# Allegro board balenaFin-PCB.brd
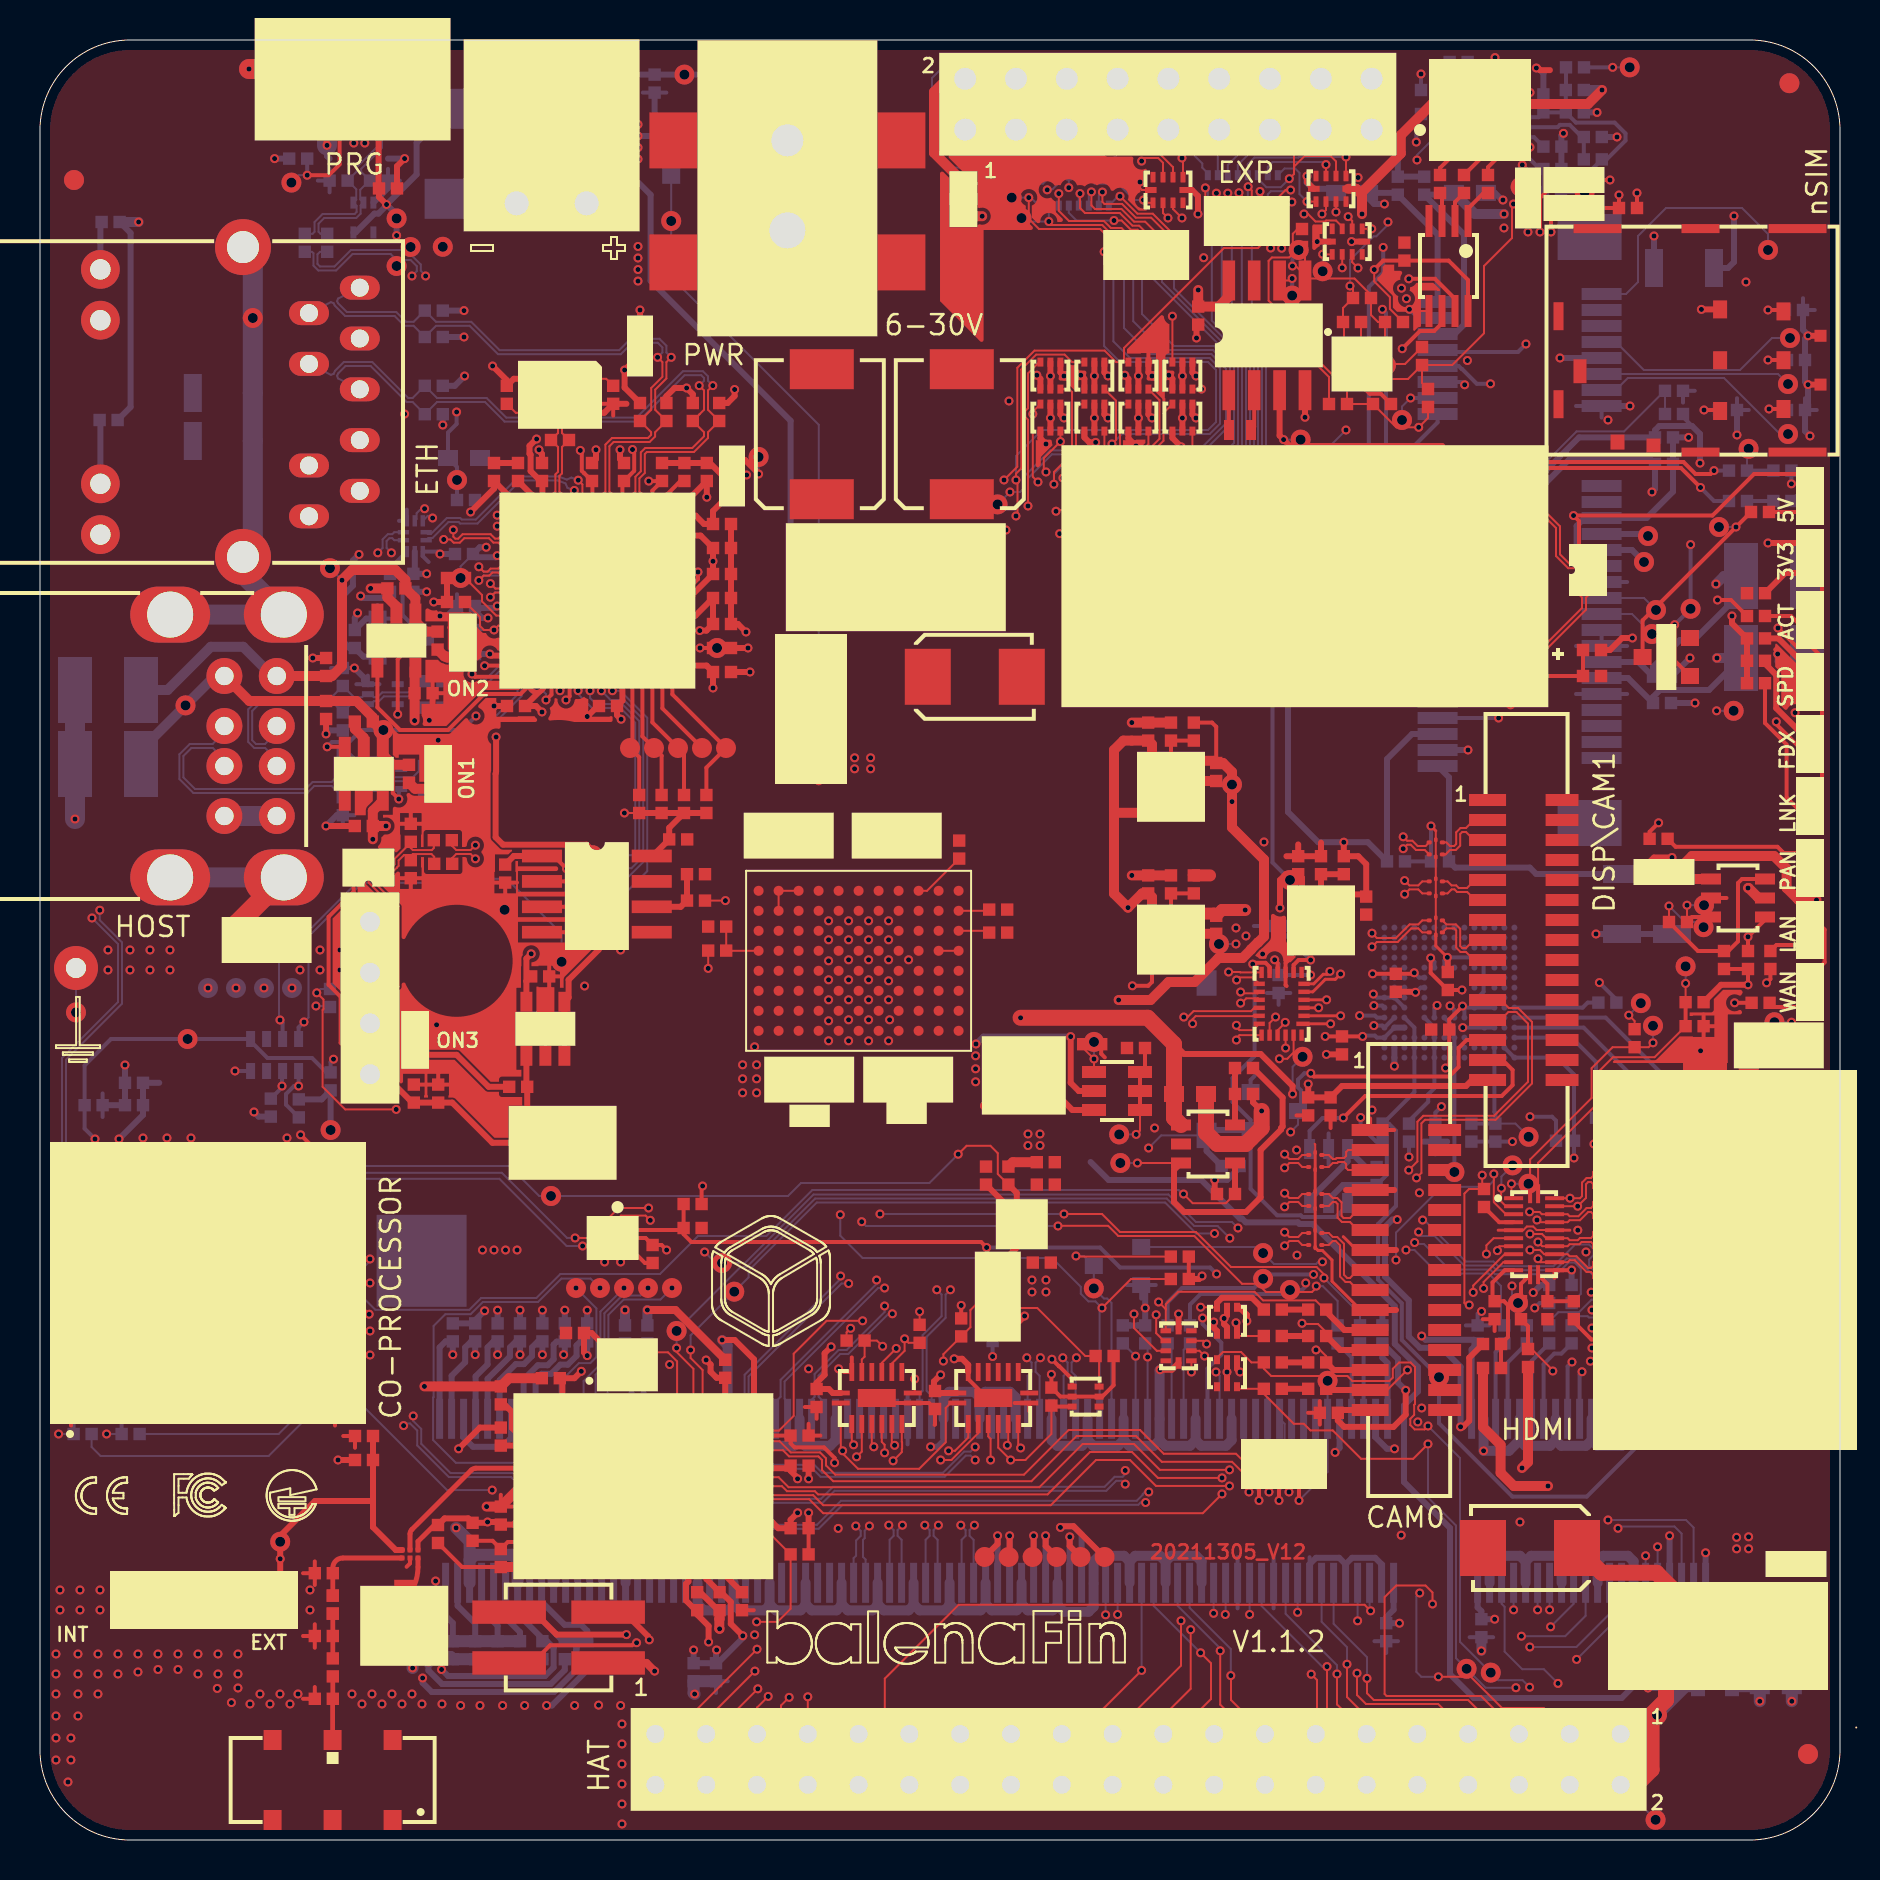
[diagram p0: board, top side]
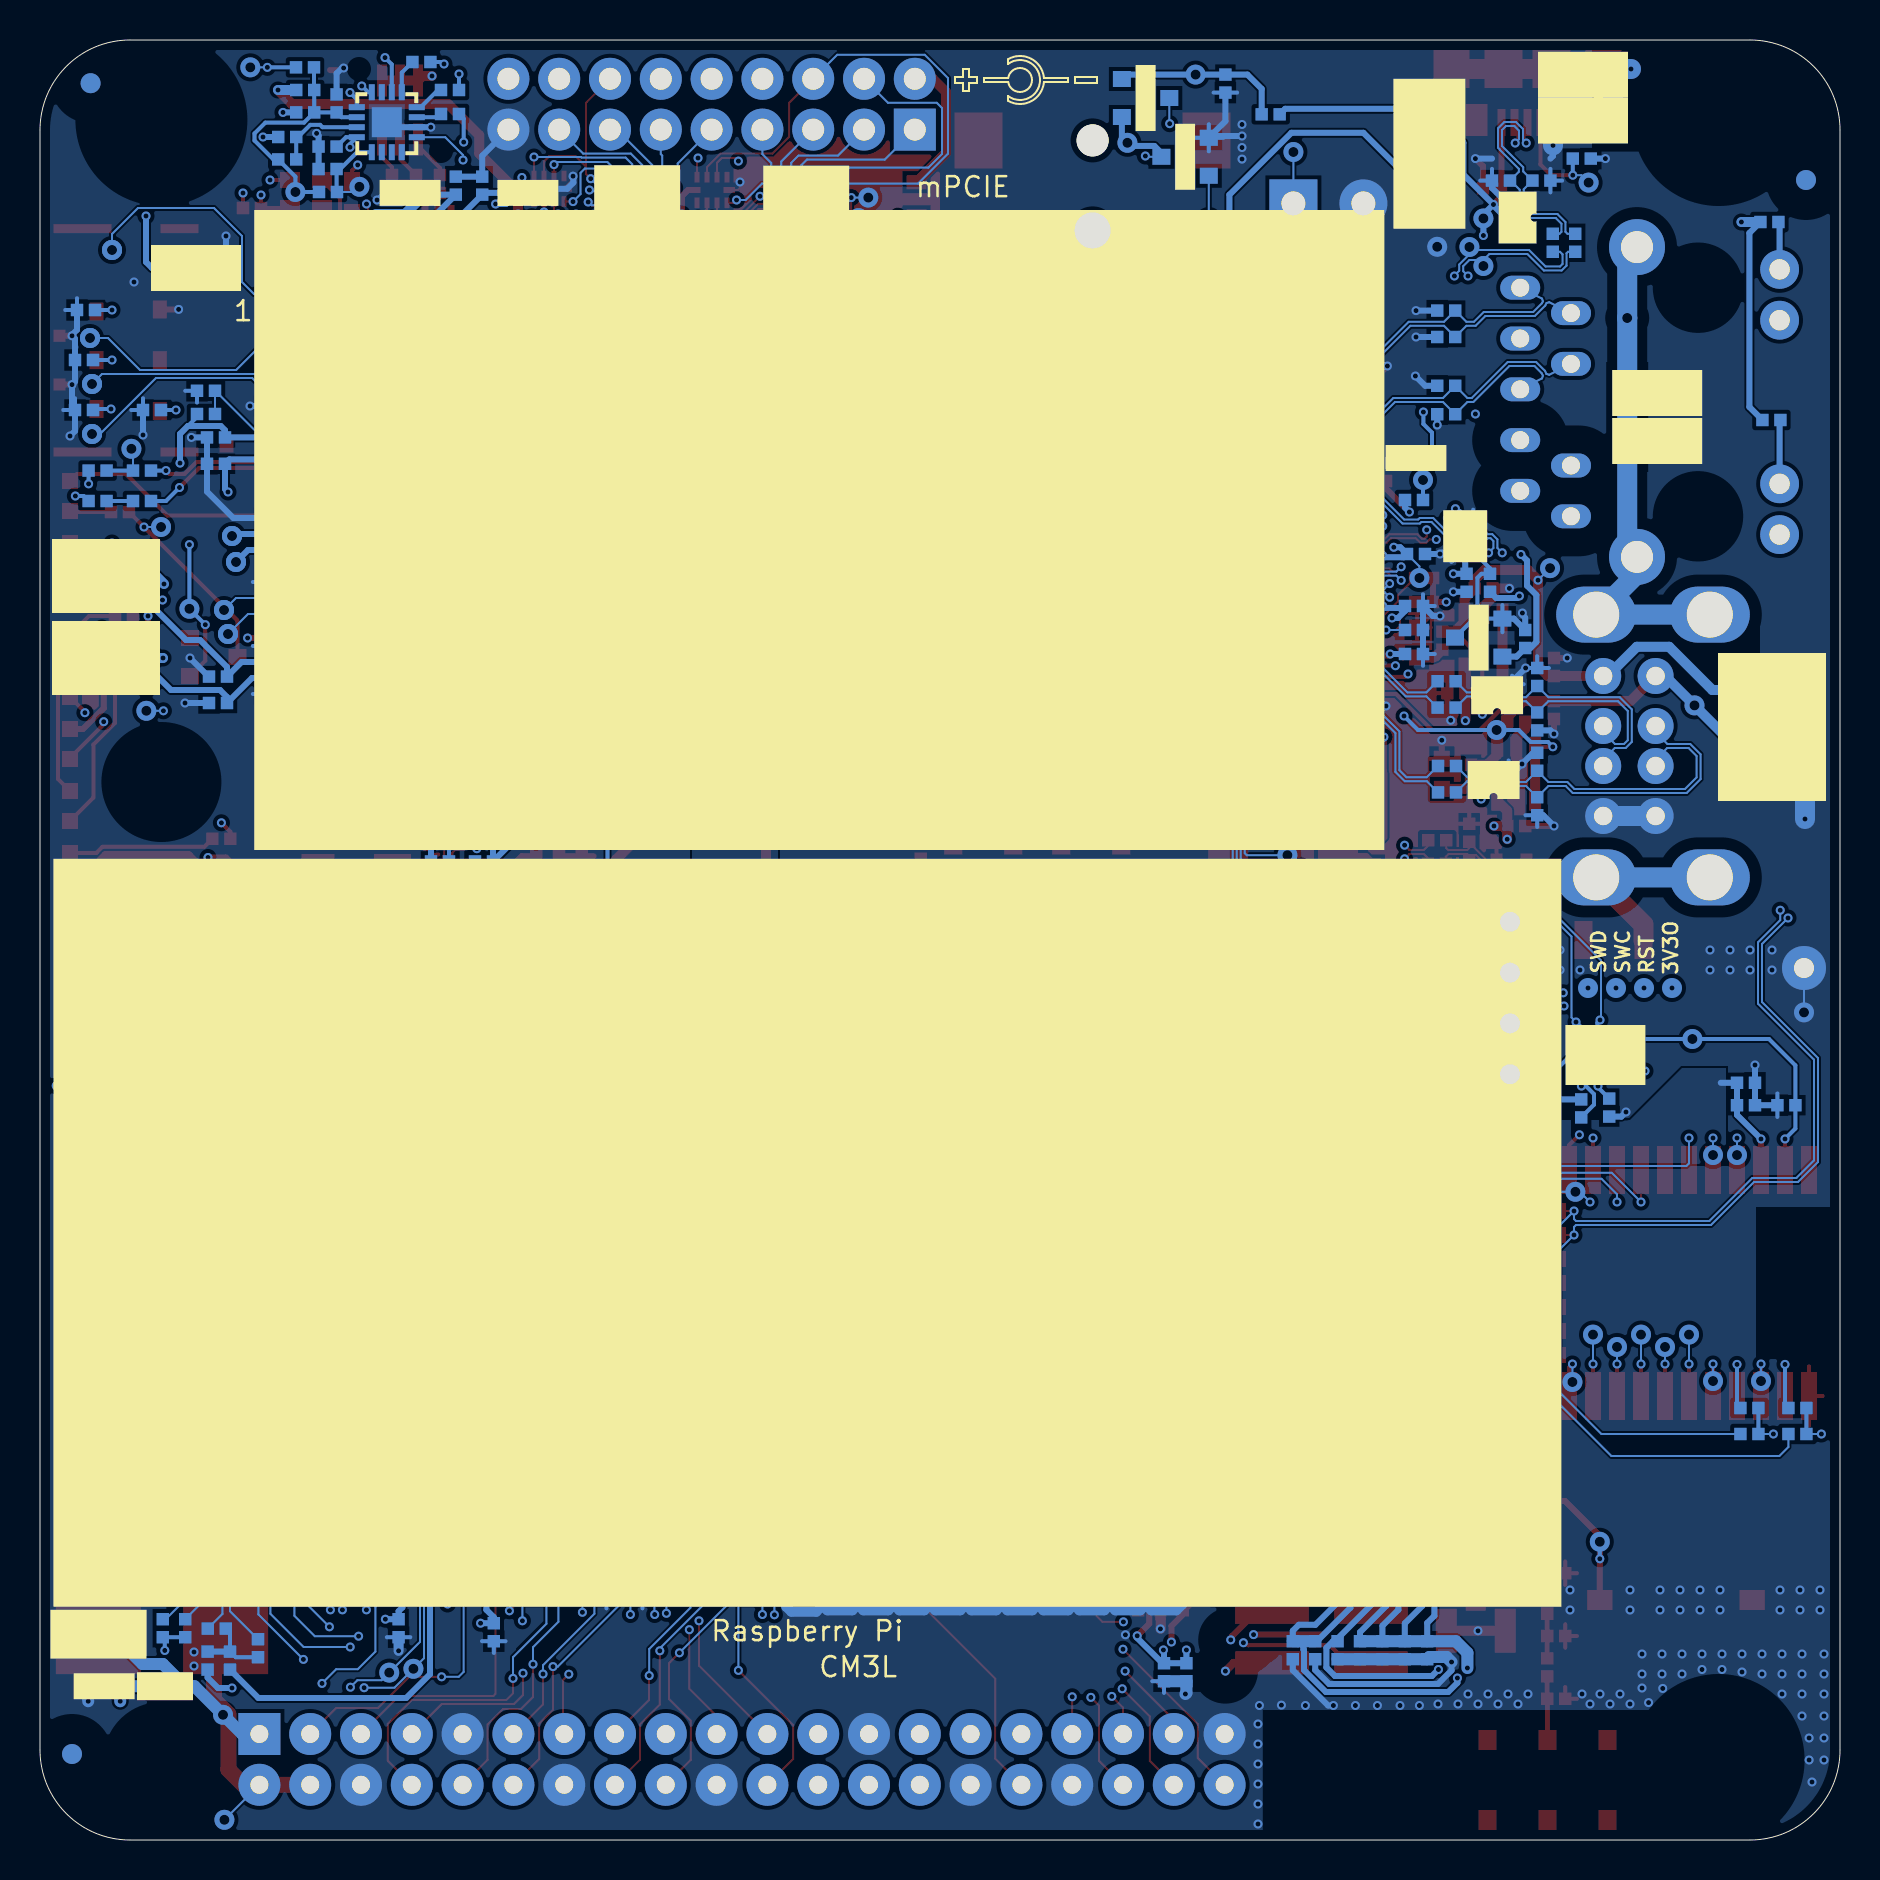
[diagram p1: board, bottom side, seen from below]

Outline 90 x 90 mm; copper layers: TOP, GND, INT1, INT2, INT3, INT4, POWER, BOTTOM. Coordinates in mm from the lower left corner of the outline.
Outline path: 0,85.5 0,4.5 arc(1.32,1.32) 4.5,0 85.5,0 arc(88.68,1.32) 90,4.5 90,85.5 arc(88.68,88.68) 85.5,90 4.5,90 arc(1.32,88.68) 0,85.5

## Design rules (mm)
constraint set DEFAULT: min track width 0.1, pair gap 0.1
net group CAM0_CK: nets CAM0_CN CAM0_CP
net group CAM0_D0: nets CAM0_DN0 CAM0_DP0
net group CAM0_D1: nets CAM0_DN1 CAM0_DP1
net group CAM1_D0: nets CAM1_DN0 CAM1_DP0
net group CAM1_D1: nets CAM1_DN1 CAM1_DP1
net group CAM_CK: nets CAM1_CN CAM1_CP
net group CAM_CK_EXT: nets CAM1_CK+_EXT CAM1_CK-_EXT
net group CAM_D0_EXT: nets CAM1_D0+_EXT CAM1_D0-_EXT
net group CAM_D1_EXT: nets CAM1_D1+_EXT CAM1_D1-_EXT
net group D_DBG: nets D+_DBG D-_DBG
net group D_HOST1: nets D+_HOST1 D-_HOST1
net group D_HOST2: nets D+_HOST2 D-_HOST2
net group D_HOST_INT: nets D+_HOST_INT D-_HOST_INT
net group DISP_CLK_CAM0_D1_EXT: nets DISP_CLK+_CAM0_D1+_EXT DISP_CLK-_CAM0_D1-_EXT
net group DISP_D0_CAM0_CK_EXT: nets DISP_D0+_CAM0_CK+_EXT DISP_D0-_CAM0_CK-_EXT
net group DISP_D1_CAM0_D0_EXT: nets DISP_D1+_CAM0_D0+_EXT DISP_D1-_CAM0_D0-_EXT
net group DSI1_CK: nets DSI1_CN DSI1_CP
net group DSI1_CK_CAM0_D1: nets DSI1_CN_CAM0_DN1 DSI1_CP_CAM0_DP1
net group DSI1_D0: nets DSI1_DN0 DSI1_DP0
net group DSI1_D0_CAM0_CK: nets DSI1_DN0_CAM0_CN DSI1_DP0_CAM0_CP
net group DSI1_D1: nets DSI1_DN1 DSI1_DP1
net group DSI1_D1_CAM0_D0: nets DSI1_DN1_CAM0_DN0 DSI1_DP1_CAM0_DP0
net group ETH_RX: nets ETH_RX+ ETH_RX-
net group ETH_TX: nets ETH_TX+ ETH_TX-
net group HDMI_CK: nets HDMI_CK+ HDMI_CK-
net group HDMI_D0: nets HDMI_D0+ HDMI_D0-
net group HDMI_D1: nets HDMI_D1+ HDMI_D1-
net group HDMI_D2: nets HDMI_D2+ HDMI_D2-
net group USB: nets USB_DM USB_DP
net group USB_DBG: nets USB_DBG_D+ USB_DBG_D-
net group USB_HOST1: nets USB_HOST1_D+ USB_HOST1_D-
net group USB_HOST2: nets USB_HOST2_D+ USB_HOST2_D-
net group USB_HUB: nets USB_HUB_D+ USB_HUB_D-
net group USB_INT: nets USB_INT+ USB_INT-
net group USB_MPCIE: nets USB_MPCIE_D+ USB_MPCIE_D-
net group 60950_2-1500-SEC71-1: nets 3V3_HAT 5V_HAT 5V_HOST1 5V_HOST2 5V_HOST_INT +1V5 +1V8 +1V8_CORE +1V8_ETHPLL +1V8_USBPLL +1V8_WIFI +2V8 +3V3_A +3V3_LED +5V_DEV +5V_USB_DBG ARTIK-RX_CM3-TX ARTIK-TX_CM3-RX BT_PCM_CLK BT_PCM_IN BT_PCM_OUT BT_PCM_SYNC CAM1_IO0 CAM1_IO0_EXT CAM1_IO1 CAM1_IO1_EXT CAM1_SCL_EXT CAM1_SDA_EXT CM3_RX CM3_TX DBG_UP-RX_DEV-TX DBG_UP-RX_DEV-TX_EXT DBG_UP-TX_DEV-RX DBG_UP-TX_DEV-RX_EXT EE_CLK EE_CS EE_DI EE_DO EMMC_CLK EMMC_CMD EMMC_D0 EMMC_D1 EMMC_D2 EMMC_D3 EMMC_DISABLE_N EMMC_DS EMMC_EN_N_1V8 EMMC_RST GPIO4 GPIO5 GPIO6 GPIO7 GPIO8 GPIO9 GPIO10 GPIO11 GPIO12 GPIO13 GPIO14 GPIO15 GPIO16 GPIO17 GPIO18 GPIO19 GPIO20 GPIO21 GPIO22 GPIO23 GPIO24 GPIO25 GPIO26 GPIO27 HDMI_CEC HDMI_CEC_CON HDMI_HPD HDMI_HPD_CON HDMI_LS_OE HDMI_SCL HDMI_SCL_CON HDMI_SDA HDMI_SDA_CON I2C0_SCL I2C0_SDA I2C1_SCL I2C1_SCL_EXT I2C1_SDA I2C1_SDA_EXT JTCK JTDI JTDO JTMS LED-B LED-G LED-R LED_LINK LED_SPEED MCU-GPIO0 MCU-GPIO0_EXT MCU-GPIO1 MCU-GPIO1_EXT MCU-GPIO2 MCU-GPIO2_EXT MCU-GPIO3 MCU-GPIO3_EXT MCU-GPIO4 MCU-GPIO4_EXT MCU-GPIO5 MCU-GPIO5_EXT MCU-GPIO6 MCU-GPIO6_EXT MCU-GPIO7 MCU-GPIO7_EXT N16818805 N16819336 N16826548 N16879463 N16879564 N16879671 N16879685 N16879735 N16879749 N16879759 N16879761 N16882551 N16891942 N16969912 N16969957 N16969979 N17037416 N17062592 N17062595 N17062598 N17062601 N17069111 N17119064 N17122549 N17122560 N17123208 N17123211 N17123214 N17123217 N17128944 N17129002 N17130185 N17130223 N17130226 N17130229 N17130232 N17130235 N17130238 N17130241 N17130249 N17159243 N17159780 N17163814 N17163832 N17163850 N17179377 N17179423 N17179429 N17199581 N17199633 N17201498 N17201501 N17201615 N17201618 N17222181 N17222186 N17293442 N17293451 N17293460 N17293469 N17293478 N17293487 N17293833 N17297409 N17299945 N17304746 N17324040 N17354151 N18385522 N18386630 N18386633 N18386636 N18386651 N18386810 N18386815 N18386822 N18386825 N18400731 N18401161 N18405003 N18406483 N18406582 N18406685 N18408710 N18424363 N18431035 N18432576 N18433009 N18435074 N18435086 N18439563 N18440280 N18441109 N18444316 N18444319 N18444322 N18444325 N18444328 N18447675 N18448098 N18449262 N18457379 N18457384 N18469944 N18472937 N18475436 N18475447 N18488781 N18498215 N18498233 N18502868 N18502871 N18639689 N18639693 N18652550 N18655098 N18655160 N18656712 N18656716 N18660257 N18668852 N18784708 N19330929 N19330932 N19357608 N19378336 N19465405 N19490611 N19490616 N20229851 N20229854 N20266908 N20266937 N20266961 N20278857 N20278874 N20297788 N20297820 N20297852 N20297874 NRST PERST_MPCIE PW_EN_LED PW_ON_3V3 PW_ON_5V RF_OUT_50OHM RST_MCU SEL_SWD SPI-MCU_MISO SPI-MCU_MISO_EXT SPI-MCU_MOSI SPI-MCU_MOSI_EXT SPI-MCU_SCLK SPI-MCU_SCLK_EXT SPI_MCU_CS-CON SPI_MCU_CS-CON_EXT SW_I2C_SCL_ON SW_I2C_SCL_ON_OFF SW_I2C_SDA_ON SW_I2C_SDA_ON_OFF SWCLK_MCU SWDIO_MCU USB_HOST1_CTRL USB_HOST2_CTRL USB_HOST_INT_CTRL VDDM VIN_CON VIN_JACK W-DISABLE_MPCIE WIFI_BLE_PDN WIFI_SDIO_CLK WIFI_SDIO_CMD WIFI_SDIO_D0 WIFI_SDIO_D1 WIFI_SDIO_D2 WIFI_SDIO_D3
net group POE: nets TR00 TR01 TR02 TR03

## Placement (name value [footprint] x y rotation side)
ANT1  AH104N2450D1-T  [ANT-AH104N]  14.63 3 180 top
BAT1  SMTU1225-LF  [BAT-SMTU1225]  63.22 63.19 180 top
C1  10n/50V  [CS-C-0402]  82.87 25.28 90 bottom
C2  10u/6.3V-X5R  [CS-C-0402]  81.75 25.28 90 bottom
C3  100n/16V  [CS-C-0402]  82.73 40.69 0 top
C4  100n/16V  [CS-C-0402]  72.07 10.59 90 bottom
C5  10u/6.3V-X5R  [CS-C-0402]  71.88 25.28 90 bottom
C6  100n/16V  [CS-C-0402]  67.31 10.39 90 bottom
C7  10u/6.3V-X5R  [CS-C-0402]  67.12 25.28 90 bottom
C8  10n/1kV  [CS-C-1206]  86.94 39.73 180 top
C9  100n/16V  [CS-C-0402]  72.73 26.49 270 top
C10  100n/16V  [CS-C-0402]  75.37 26.49 270 top
C11  100n/16V  [CS-C-0402]  64.53 36.68 270 top
C12  100n/16V  [CS-C-0402]  63.41 36.68 270 top
C13  100n/16V  [CS-C-0402]  27.36 9.49 90 bottom
C14  10u/6.3V-X5R  [CS-C-0402]  27.36 25.38 90 bottom
C15  100n/16V  [CS-C-0402]  26.24 9.49 90 bottom
C16  10u/6.3V-X5R  [CS-C-0402]  26.24 25.38 90 bottom
C17  100n/16V  [CS-C-0402]  25.12 9.49 90 bottom
C18  10u/6.3V-X5R  [CS-C-0402]  25.12 25.38 90 bottom
C19  100n/16V  [CS-C-0402]  24 9.49 90 bottom
C20  10u/6.3V-X5R  [CS-C-0402]  24 25.38 90 bottom
C21  100n/16V  [CS-C-0402]  22.88 9.49 90 bottom
C22  10u/6.3V-X5R  [CS-C-0402]  22.88 25.38 90 bottom
C23  100n/16V  [CS-C-0402]  21.76 9.49 90 bottom
C24  10u/6.3V-X5R  [CS-C-0402]  21.76 25.38 90 bottom
C25  100n/16V  [CS-C-0402]  20.64 9.49 90 bottom
C26  10u/6.3V-X5R  [CS-C-0402]  20.64 25.38 90 bottom
C27  1u/16V-X5R  [CS-C-0402]  58.81 53.4 270 top
C28  1u/16V-X5R  [CS-C-0402]  55.41 55.42 90 top
C39  1u/16V-X5R  [CS-C-0402]  58.81 45.76 270 top
C40  1u/16V-X5R  [CS-C-0402]  55.41 47.78 90 top
C42  1u/16V-X5R  [CS-C-0402]  66.31 46.72 270 top
C43  1u/16V-X5R  [CS-C-0402]  62.91 48.74 90 top
C60  NU  [CS-C-0402]  14.19 7.06 180 top
C61  100n/16V  [CS-C-0402]  64.44 21.36 180 top
C63  100n/16V  [CS-C-0402]  16.19 50.7 180 top
C64  100n/16V  [CS-C-0402]  16.19 55.92 180 top
C68  NU  [CS-C-0402]  15.14 51.69 270 bottom
C69  NU  [CS-C-0402]  15.14 53.91 90 bottom
C70  100n/16V  [CS-C-0402]  14.3 56.5 270 top
C71  10n/1kV  [CS-C-1206]  9.14 69.95 0 bottom
C75  100n/16V  [CS-C-0402]  19.18 57.34 0 top
C76  100n/16V  [CS-C-0402]  17.82 62.58 180 top
C77  NU  [CS-C-0402]  15.14 55.93 270 bottom
C78  NU  [CS-C-0402]  15.14 58.15 90 bottom
C79  100n/16V  [CS-C-0402]  14.3 58.65 90 top
C85  100n/16V  [CS-C-0402]  18.67 62.86 270 bottom
C86  NU  [CS-C-0402]  14.93 82.97 180 bottom
C87  NU  [CS-C-0402]  16.95 82.97 0 bottom
C88  100n/16V  [CS-C-0402]  17.4 82.58 0 top
C89  10n/1kV  [CS-C-1206]  12.85 88.26 180 bottom
C91  100n/16V  [CS-C-0402]  2.68 36.74 0 bottom
C92  100n/16V  [CS-C-0402]  4.7 36.74 180 bottom
C93  10u/6.3V-X5R  [CS-C-0402]  4.7 37.86 180 bottom
C107  1u/16V-X5R  [CS-C-0402]  72.77 35.37 90 bottom
C108  100n/16V  [CS-C-0402]  71.57 35.37 90 bottom
C109  100n/16V  [CS-C-0402]  65.1 39.73 90 top
C110  2.2u/6.3V-X5R  [CS-C-0402]  70.39 42.95 270 top
C111  100n/16V  [CS-C-0402]  70.01 40.52 0 top
C112  2.2u/6.3V-X5R  [CS-C-0402]  67.79 42.86 90 top
C113  10u/10V-X5R  [CS-C-0603]  86.79 7.69 0 bottom
C114  10u/10V-X5R  [CS-C-0603]  87.8 13.8 0 top
C115  10u/10V-X5R  [CS-C-0603]  71.5 82.35 180 bottom
C116  10u/10V-X5R  [CS-C-0603]  65.61 82.35 0 bottom
C117  100n/16V  [CS-C-0402]  69.21 82.72 90 bottom
C118  100n/16V  [CS-C-0402]  67.89 82.72 90 bottom
C119  100n/16V  [CS-C-0402]  81.2 70.13 0 bottom
C120  100n/16V  [CS-C-0402]  81.2 68.81 0 bottom
C121  100n/16V  [CS-C-0402]  81.1 58.17 180 bottom
C122  100n/16V  [CS-C-0402]  81.1 56.85 180 bottom
C123  100n/16V  [CS-C-0402]  67.8 48.93 0 bottom
C124  100n/16V  [CS-C-0402]  70 48.93 180 bottom
C134  10n/1kV  [CS-C-1206]  11.33 45 180 top
C135  22n/50V  [CS-C-0603]  21.2 69.1 0 bottom
C136  15p/50V-NP0  [CS-C-0402]  19.69 76.47 0 bottom
C137  15p/50V-NP0  [CS-C-0402]  19.69 75.15 0 bottom
C138  15p/50V-NP0  [CS-C-0402]  19.69 72.71 0 bottom
C139  15p/50V-NP0  [CS-C-0402]  19.69 71.29 0 bottom
C140  100n/16V  [CS-C-0402]  31.91 50.03 0 top
C147  33p/50V-C0G  [CS-C-0402]  28.66 72.26 270 top
C148  33p/50V-C0G  [CS-C-0402]  23.34 72.26 90 top
C149  1u/16V-X5R  [CS-C-0402]  50.09 28.87 0 top
C150  10u/6.3V-X5R  [CS-C-0402]  50.29 32.77 0 top
C151  10u/6.3V-X5R  [CS-C-0402]  50.29 33.89 0 top
C152  100n/16V  [CS-C-0402]  47.3 33.22 90 top
C153  33p/50V-C0G  [CS-C-0402]  87.7 76.5 0 bottom
C154  33p/50V-C0G  [CS-C-0402]  87.8 74 0 bottom
C155  33p/50V-C0G  [CS-C-0402]  87.8 71.5 0 bottom
C156  33p/50V-C0G  [CS-C-0402]  84.4 71.5 0 bottom
C170  100n/16V  [CS-C-0402]  21.2 64.3 0 bottom
C171  100n/16V  [CS-C-0402]  21.3 61.7 0 bottom
C172  100n/16V  [CS-C-0402]  33.34 68.4 270 top
C173  100n/16V  [CS-C-0402]  31.1 68.4 270 top
C174  100n/16V  [CS-C-0402]  29.2 68.4 270 top
C175  100n/16V  [CS-C-0402]  27.6 68.4 270 top
C176  100n/16V  [CS-C-0402]  22.7 68.4 270 top
C177  100n/16V  [CS-C-0402]  34.1 64.6 0 top
C178  100n/16V  [CS-C-0402]  34.1 63.3 0 top
C179  100n/16V  [CS-C-0402]  34.1 58.4 0 top
C180  100n/16V  [CS-C-0402]  28.4 56.7 180 top
C181  100n/16V  [CS-C-0402]  23.8 56.7 180 top
C182  100n/16V  [CS-C-0402]  34.1 60.8 0 top
C183  100n/16V  [CS-C-0402]  21.3 59.3 0 bottom
C184  4.7u/6.3V-X5R  [CS-C-0402]  34.1 62.1 0 top
C185  1u/16V-X5R  [CS-C-0402]  25.1 68.4 270 top
C186  100n/16V  [CS-C-0402]  34.1 65.8 0 top
C187  10n/50V  [CS-C-0402]  21.3 60.5 0 bottom
C188  100n/16V  [CS-C-0402]  57.91 76.22 270 top
C189  10u/6.3V-X5R  [CS-C-0402]  37.98 15.59 180 top
C190  10u/6.3V-X5R  [CS-C-0402]  32.86 11.94 270 top
C191  10u/6.3V-X5R  [CS-C-0402]  23.04 16.22 270 top
C192  10u/6.3V-X5R  [CS-C-0402]  37.98 18.72 180 top
C193  10u/6.3V-X5R  [CS-C-0402]  34.26 23.56 270 top
C194  10u/6.3V-X5R  [CS-C-0402]  33.98 11.94 90 top
C195  10u/6.3V-X5R  [CS-C-0402]  37.98 20.22 180 top
C196  10u/6.3V-X5R  [CS-C-0402]  25.54 23.09 0 top
C197  10u/6.3V-X5R  [CS-C-0402]  32.68 8.39 90 bottom
C198  10u/6.3V-X5R  [CS-C-0402]  33.8 8.39 90 bottom
C199  10u/6.3V-X5R  [CS-C-0402]  35.1 11.94 90 top
C201  NU  [CS-C-0402]  14.19 10.2 180 top
C202  0.6p/50V-C0G  [CS-C-0402]  14.64 8.63 270 top
C204  100n/16V  [CS-C-0402]  75.17 86.83 90 bottom
C205  100u/10V-X5R  [CS-C-1210]  86.7 59.2 180 bottom
C206  100u/10V-X5R  [CS-C-1210]  86.7 63.3 180 bottom
C207  22u/25V-X5R  [CS-C-1206]  82.2 78.6 180 bottom
C208  22u/25V-X5R  [CS-C-1206]  79.1 46.8 270 bottom
C209  22u/25V-X5R  [CS-C-1206]  81.6 46.8 270 bottom
C210  100n/16V  [CS-C-0402]  19.9 15.3 90 top
C211  100n/16V  [CS-C-0402]  77.6 58.2 0 top
C222  4.7u/50V-X5R  [CS-C-1206]  37.44 50.22 180 top
C224  4.7u/50V-X5R  [CS-C-1206]  42.84 50.22 0 top
C227  47u/6.3V-X5R  [CS-C-1206]  43.41 38.02 180 top
C230  100u/4V-X5R  [CS-C-1206]  38.46 38.02 0 top
C231  10n/50V  [CS-C-0402]  26.75 25.35 180 top
C232  100u/10V-X5R  [CS-C-1210]  3.4 57.6 180 bottom
C234  100u/10V-X5R  [CS-C-1210]  3.4 53.9 180 bottom
C235  100n/16V  [CS-C-0402]  25.01 43.18 0 top
C236  100n/16V  [CS-C-0402]  19.91 37.32 90 top
C237  NU  [CS-C-0402]  18.54 48.54 270 top
C238  NU  [CS-C-0402]  18.54 50.36 90 top
C239  100n/16V  [CS-C-0402]  18.69 37.32 90 top
C240  100u/10V-X5R  [CS-C-1210]  26.13 34.96 0 top
C241  100n/16V  [CS-C-0402]  30.63 29.3 270 top
C242  100n/16V  [CS-C-0402]  68.22 79.42 90 top
C243  100n/16V  [CS-C-0402]  61.93 42.8 270 bottom
C244  100n/16V  [CS-C-0402]  38.83 22.1 270 top
C245  100n/16V  [CS-C-0402]  44.75 22 270 top
C246  100n/16V  [CS-C-0402]  43.33 36.36 180 top
C247  100n/16V  [CS-C-0402]  38.48 36.21 0 top
DS1  BAV99BRVA-7  [SOT563]  52.28 22.17 90 top
DS2  CDBC560-G  [SMC]  39.09 70.29 90 top
DS3  CDBC560-G  [SMC]  46.09 70.29 90 top
DS4  BAV99BRVA-7  [SOT563]  59.35 25.96 180 top
DS5  BAV99BRVA-7  [SOT563]  59.35 23.34 0 top
DS7  BAV99BRVA-7  [SOT563]  57.12 71.12 0 top
DS8  BAV99BRVA-7  [SOT563]  54.92 71.12 0 top
DS9  BAV99BRVA-7  [SOT563]  52.72 71.12 0 top
DS10  BAV99BRVA-7  [SOT563]  50.52 71.12 0 top
DS25  BAV99BRVA-7  [SOT563]  57.12 73.22 0 top
DS26  BAV99BRVA-7  [SOT563]  54.92 73.22 180 top
DS27  BAV99BRVA-7  [SOT563]  52.72 73.22 180 top
DS28  BAV99BRVA-7  [SOT563]  50.52 73.22 180 top
DS32  1A/60V  [SMA]  38.55 58.8 270 top
DS33  1A/60V  [SMA]  20.53 82.06 90 bottom
DSW1  DIP-SW-CHS-01TB  [DSS-CHS-01TB]  8.2 12 90 top
DSW2  DIP-SW-CHS-01TB  [DSS-CHS-01TB]  58.33 39.04 180 bottom
F1  0154003-DR  [F-LT154]  42.79 63.14 0 top
F2  0.1A/15V  [FS-0603]  46.17 82.04 270 top
F3  0.5A/6V  [FS-0603]  83.75 7.69 180 bottom
F4  0154003-DR  [F-LT154]  83.9 10.2 0 top
FID1  TPS  [FIDUCIAL]  1.7 83 0 top
FID2  TPS  [FIDUCIAL]  88.4 4.3 0 top
FID3  TPS  [FIDUCIAL]  88.4 4.3 180 bottom
FID4  TPS  [FIDUCIAL]  1.7 83 180 bottom
FID5  TPS  [FIDUCIAL]  87.47 87.84 0 top
FID6  TPS  [FIDUCIAL]  87.47 87.84 180 bottom
J1  HDMI-TypeA  [J-19-0050-FOS-HDMI-A-CNCTECH]  86.05 29 90 top
J2  SODIMM-CM3L-1473005-4  [J-200-0060-MOS-1473005-4]  51.63 17.06 180 bottom
J3  1-1734248-5  [J-15X2-0100-FDS-ZIF]  74.23 45 90 top
J7  PJ-002AH-SMT  [J-CUPJ002AH]  37.37 84.98 270 top
J9  uFL-R-SMT-1-10  [J-3-MDS-UFL]  18.21 10.46 180 top
J10  1-1734248-5  [J-15X2-0100-FDS-ZIF]  68.36 28.5 90 top
J11  USB TYPE A - 1002-004-01010  [J-8-0200-FOT-USB-A-2X]  11.84 54.7 90 top
J13  MICROUSB-B  [J-5-0065-FOS-MICROUSB10118192]  15.63 86 180 top
J14  STRIP 9Px2 - MDT  [J-9X2-0254-MDT]  46.26 85.52 0 top
J18  STRIP 20Px2 - MDT  [J-20X2-0254-MDT]  79.03 5.3 180 top
J19  mPCIE-52P-2041119  [J-26X2-0080-FOS-2041119]  73.98 65.3 270 bottom
J20  RJ45-7499410213  [J-RJ45-7499410213]  -3.79 71.9 90 top
J21  MC-MOT-2P  [J-2-0350-MOT-MC]  27.33 81.83 90 top
J22  NanoSIM - SF72S006VBDR2500  [J-NANOSIM-SF72S006VBA]  77 73.44 90 top
J23  STRIP 4P - MDT  [J-4-0254-MDT]  16.5 40.83 90 top
J24  STRIPLINE 2Px2  [J-2X2-0254-MDT-TSM]  25.93 10.12 90 top
L1  BLM15PX121SN1D  [LS-0402]  76.69 26.49 270 top
L2  LCFE080602G900TG  [EMI_FILTER]  69.79 49.58 90 top
L3  LCFE080602G900TG  [EMI_FILTER]  69.79 47.63 90 top
L4  LCFE080602G900TG  [EMI_FILTER]  69.79 45.68 90 top
L10  L-07C2N2SV6T  [LS-0402]  14.19 13.34 0 top
L11  LCFE080602G900TG  [EMI_FILTER]  63.76 33.95 90 top
L12  LCFE080602G900TG  [EMI_FILTER]  63.76 32 90 top
L13  LCFE080602G900TG  [EMI_FILTER]  63.76 30.05 90 top
L20  BLM18PG121SN1D  [LS-0603]  30 74.7 270 top
L21  BLM18PG121SN1D  [LS-0603]  34.6 68.2 270 top
L22  NU  [LS-0402]  14.64 11.77 270 top
LD4  GENERICO  [LD-0603]  88.5 67.2 90 top
LD5  GENERICO  [LD-0603]  88.5 64.1 90 top
LD8  ASMT-YTB7-0AA02  [LD-PLCC6-GUIDAVLP]  72 86.5 0 top
LD9  GENERICO  [LD-0603]  88.5 42.4 90 top
LD10  GENERICO  [LD-0603]  88.5 45.5 90 top
LD11  GENERICO  [LD-0603]  88.5 48.6 270 top
LD12  GENERICO  [LD-0603]  88.5 51.7 270 top
LD13  KPT-1608YC  [LD-0603]  88.5 57.9 90 top
LD14  GENERICO  [LD-0603]  88.5 54.8 90 top
LD15  GENERICO  [LD-0603]  19.91 53.31 270 top
LD16  GENERICO  [LD-0603]  21.14 59.87 270 top
LD17  GENERICO  [LD-0603]  88.5 61 90 top
LD18  GENERICO  [LD-0603]  18.76 40.01 270 top
MOD1  WYSBHVGXG  [MOD-WYSBHVGXG]  30.17 17.69 180 top
MOD2  BGM111A256V21R  [MOD-ARTIK-020]  0.7 21 90 top